# KiCad board nixie.kicad_pcb (continued)
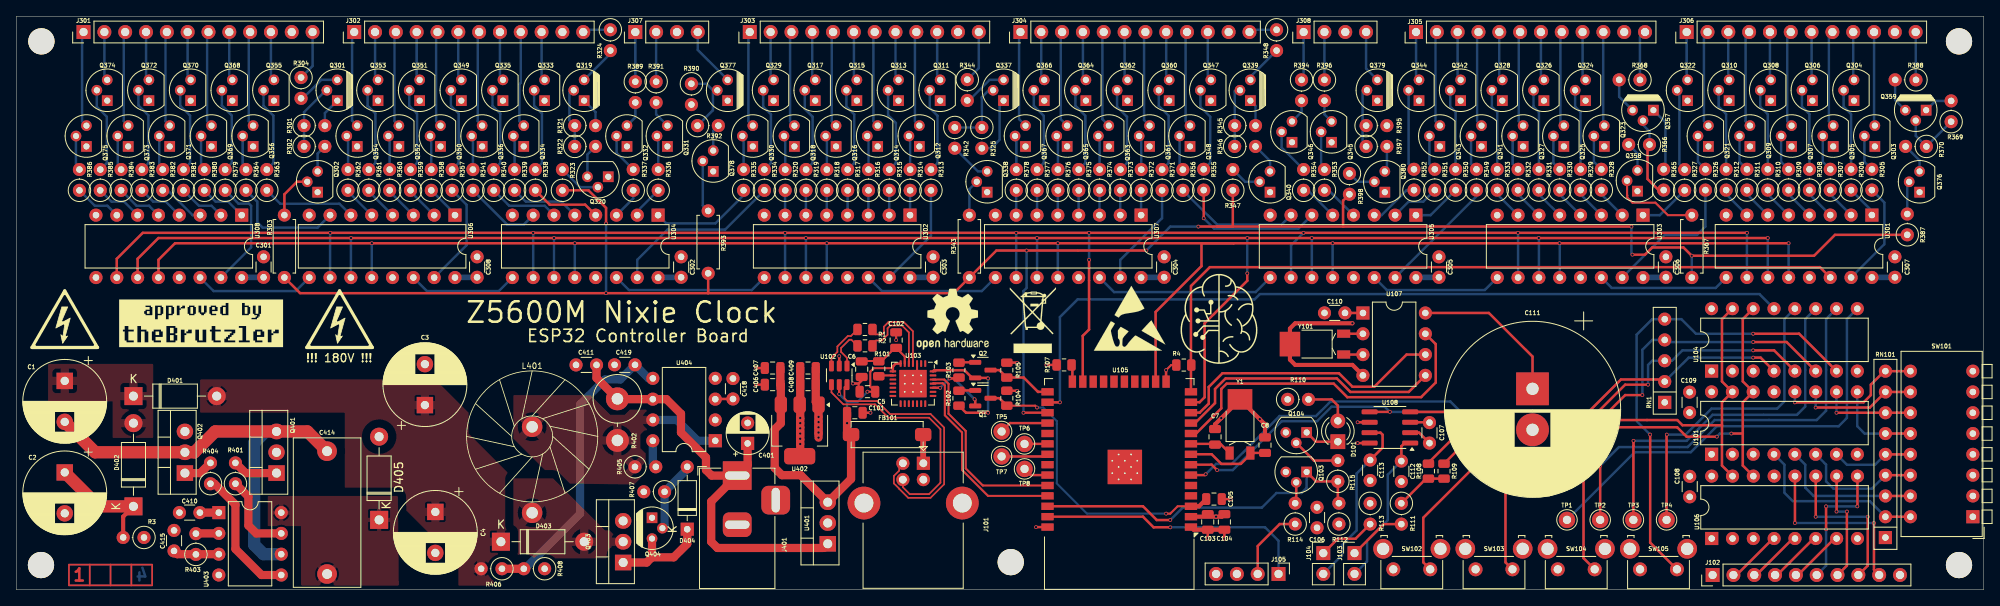
[diagram p0: board, top side]
## Routing (per net, layer and track width the routed paths; a pad name or vN(x,y) marks a point on that pad's centre or on a via; arc(x,y) is an arc through that point) (continued)
/RCLK: length 254.4
  Top w0.3: v1(216.21,42.3) v1(188.27,42.3) v1(160.58,42.3) 148.52,42.3 ; 148.52,42.3 v1(127.06,42.3) v1(98.86,42.3) v1(68.13,42.3) v1(43.36,42.3) 19.36,42.3 17.33,40.27 17.33,38.11 ; 148.52,42.3 144.58,42.3 144.58,39.51 138.99,33.91 U105.16
  Bottom w0.3: U304.12 v1(68.13,42.3) ; U307.12 v1(127.06,42.3) ; v1(216.21,42.3) 216.21,38.12 ; U303.12 188.28,42.28 v1(188.27,42.3) ; 98.86,38.11 v1(98.86,42.3) ; U305.12 v1(160.58,42.3) ; v1(43.36,42.3) 43.35,42.28 U306.12
/SCLK: length 259.5
  Top w0.3: v1(213.67,42.93) v1(185.73,42.93) v1(158.04,42.93) v1(150.17,42.93) v1(124.52,42.93) v1(96.32,42.93) v1(65.59,42.93) v1(40.82,42.93) 17.33,42.93 14.79,40.39 U308.11 ; U105.13 144.35,22.88 144.96,23.49 144.96,32.52 150.17,37.73 v1(150.17,38.62)
  Bottom w0.3: v1(150.17,38.62) v1(150.17,42.93) ; v1(185.73,42.93) 185.75,42.92 U303.11 ; v1(40.82,42.93) 40.81,42.92 U306.11 ; U304.11 v1(65.59,42.93) ; 96.32,38.11 v1(96.32,42.93) ; U307.11 v1(124.52,42.93) ; v1(213.67,42.93) 213.67,38.12 ; U305.11 v1(158.04,42.93)
/~{SCLR}: length 259.8
  Top w0.3: U105.23 130.1,30.99 130.87,31.76 v1(130.87,40.27) ; v1(211.13,43.57) v1(183.19,43.57) v1(157.03,43.57) v1(130.87,43.57) v1(121.98,43.57) v1(93.78,43.57) v1(63.05,43.57) v1(38.28,43.57) 15.42,43.57 12.25,40.39 12.25,38.11
  Bottom w0.3: 93.78,38.11 v1(93.78,43.57) ; U306.10 38.27,43.55 v1(38.28,43.57) ; U307.10 v1(121.98,43.57) ; v1(157.03,43.57) 155.5,42.05 155.5,38.11 ; U303.10 183.21,43.55 v1(183.19,43.57) ; v1(130.87,40.27) v1(130.87,43.57) ; v1(211.13,43.57) 211.13,38.12 ; U304.10 v1(63.05,43.57)
Bit0: length 11.7
  Bottom w0.3: J301.1 8.01,67.91 8.01,57.2 8.55,56.66
Bit1: length 6
  Bottom w0.3: J301.2 10.73,62.6 11.09,62.25
Bit2: length 11.7
  Bottom w0.3: J301.3 13.09,67.91 13.09,57.21 13.64,56.66
Bit3: length 6
  Bottom w0.3: 16.17,62.25 15.81,62.6 J301.4
Bit4: length 11.7
  Bottom w0.3: 18.71,56.66 18.19,57.18 18.19,67.93 18.35,68.09
Bit5: length 6
  Bottom w0.3: 21.26,62.25 20.89,62.62 J301.6
Bit6: length 11.7
  Bottom w0.3: J301.7 23.27,67.93 23.27,57.2 23.8,56.66
Bit7: length 6
  Bottom w0.3: 26.34,62.25 25.97,62.62 J301.8
Bit8: length 11.7
  Bottom w0.3: 28.88,56.66 28.35,57.2 28.35,67.93 J301.9
Bit9: length 6
  Bottom w0.3: J301.10 31.05,62.62 31.42,62.25
Bit10: length 11.8
  Bottom w0.3: J302.1 40.95,67.83 40.95,57.29 41.58,56.66
Bit11: length 6
  Bottom w0.3: J302.2 43.75,62.62 44.12,62.25
Bit12: length 11.7
  Bottom w0.3: 46.66,56.66 46.13,57.2 46.13,67.93 J302.3
Bit13: length 6
  Bottom w0.3: J302.4 48.83,62.62 49.2,62.25
Bit14: length 11.7
  Bottom w0.3: J302.5 51.21,67.93 51.21,57.2 51.74,56.66
Bit15: length 6
  Bottom w0.3: J302.6 53.91,62.62 54.28,62.25
Bit16: length 11.7
  Bottom w0.3: J302.7 56.29,67.93 56.29,57.2 56.82,56.66
Bit17: length 6
  Bottom w0.3: J302.8 58.99,62.62 59.36,62.25
Bit18: length 11.7
  Bottom w0.3: J302.9 61.53,61.89 61.37,61.72 61.37,57.2 61.9,56.66
Bit19: length 6
  Bottom w0.3: J302.10 64.07,62.62 64.44,62.25
Bit20: length 3.2
  Bottom w0.3: 74.5,56.66 75.51,57.68 R389.2
Bit21: length 3.4
  Bottom w0.3: 79.43,56.66 78.05,58.04 R391.2
Bit22: length 11.7
  Bottom w0.3: 89.84,56.66 89.31,57.2 89.31,67.93 J303.1
Bit23: length 6
  Bottom w0.3: 92.38,62.25 92.01,62.62 J303.2
Bit24: length 11.7
  Bottom w0.3: 94.92,56.66 94.39,57.2 94.39,67.93 J303.3
Bit25: length 6
  Bottom w0.3: 97.46,62.25 97.09,62.62 J303.4
Bit26: length 11.7
  Bottom w0.3: 100,56.66 99.47,57.2 99.47,67.93 J303.5
Bit27: length 6
  Bottom w0.3: 102.54,62.25 102.17,62.62 J303.6
Bit28: length 11.7
  Bottom w0.3: J303.7 104.55,67.93 104.55,57.2 105.08,56.67
Bit29: length 6
  Bottom w0.3: J303.8 107.25,62.62 107.62,62.25
Bit30: length 11.7
  Bottom w0.3: J303.9 109.63,67.93 109.63,57.2 110.16,56.66
Bit31: length 6
  Bottom w0.3: 112.7,62.25 112.33,62.62 J303.10
Bit32: length 11.8
  Bottom w0.3: 123.12,56.66 122.33,57.45 122.33,67.93 J304.1
Bit33: length 6
  Bottom w0.3: J304.2 125.03,62.62 125.4,62.25
Bit34: length 11.8
  Bottom w0.3: 128.2,56.66 127.41,57.45 127.41,67.93 J304.3
Bit35: length 6
  Bottom w0.3: 130.48,62.25 130.11,62.62 J304.4
Bit36: length 11.8
  Bottom w0.3: 133.28,56.66 132.49,57.45 132.49,67.93 J304.5
Bit37: length 6
  Bottom w0.3: 135.56,62.25 135.19,62.62 J304.6
Bit38: length 11.8
  Bottom w0.3: J304.7 137.57,67.93 137.57,57.34 138.25,56.66
Bit39: length 6
  Bottom w0.3: J304.8 140.27,62.62 140.64,62.25
Bit40: length 11.7
  Bottom w0.3: 143.18,56.66 142.65,57.2 142.65,67.93 J304.9
Bit41: length 6
  Bottom w0.3: J304.10 145.35,62.62 145.72,62.25
Bit42: length 3
  Bottom w0.3: R394.2 156.79,58.33 155.63,57.17
Bit43: length 2.9
  Bottom w0.3: R396.2 159.58,58.04 160.45,57.17
Bit44: length 6
  Bottom w0.3: 171.12,62.25 170.75,62.62 J305.1
Bit45: length 11.7
  Bottom w0.3: 173.66,56.66 173.13,57.2 173.13,67.93 J305.2
Bit46: length 6
  Bottom w0.3: 175.83,68.09 175.83,62.62 176.2,62.25
Bit47: length 11.7
  Bottom w0.3: 178.37,68.09 178.21,67.93 178.21,57.2 178.74,56.66
Bit48: length 6
  Bottom w0.3: 181.28,62.25 180.91,62.62 J305.5
Bit49: length 11.7
  Bottom w0.3: J305.6 183.29,67.93 183.29,57.2 183.82,56.66
Bit50: length 6
  Bottom w0.3: 185.99,68.09 185.99,62.62 186.36,62.25
Bit51: length 11.7
  Bottom w0.3: J305.8 188.37,67.93 188.37,57.09 188.8,56.66
Bit52: length 6
  Bottom w0.3: 191.44,62.25 191.07,62.62 J305.9
Bit53: length 11.5
  Bottom w0.3: J305.10 193.59,68.06 193.59,56.8 193.73,56.66
Bit54: length 5.9
  Bottom w0.3: 203.89,62.25 203.77,62.36 J306.1
Bit55: length 11.8
  Bottom w0.3: 206.43,56.66 205.88,57.21 205.88,67.66 J306.2
Bit56: length 5.9
  Bottom w0.3: J306.3 208.85,62.35 208.95,62.25
Bit57: length 11.8
  Bottom w0.3: J306.4 210.96,67.66 210.96,57.2 211.49,56.66
Bit58: length 5.9
  Bottom w0.3: 214.03,62.25 213.93,62.35 J306.5
Bit59: length 11.8
  Bottom w0.3: J306.6 216.04,67.66 216.04,57.2 216.57,56.66
Bit60: length 5.9
  Bottom w0.3: 219.11,62.25 219.01,62.35 J306.7
Bit61: length 11.8
  Bottom w0.3: J306.8 221.12,67.66 221.12,57.2 221.65,56.66
Bit62: length 5.9
  Bottom w0.3: J306.9 224.09,62.35 224.19,62.25
Bit63: length 11.5
  Bottom w0.3: 226.73,56.66 226.63,56.76 J306.10
CE1: length 33.4
  Top w0.3: U107.5 169.88,24.14 162.74,24.14 161.09,25.79 147.52,25.79 146.23,24.5 146.23,22.78 143.8,20.34 U105.11
DCF_EN: length 33.4
  Top w0.3: v1(140.77,7.61) 138.74,7.61 137.44,8.91 U105.37
  Bottom w0.3: v1(140.77,7.61) 152.33,7.61 153.98,5.96 J105.1
DCF_SIG: length 42.9
  Top w0.3: R112.2 161.22,10.68 R115.1 158.56,13.22 Q103.1 ; U105.36 137.44,10.18 139.12,8.5 v1(140.77,8.5)
  Bottom w0.3: Q103.1 157.41,12.43 156.77,11.8 153.73,11.8 151.95,10.02 142.3,10.02 v1(140.77,8.5)
FB: length 37.2
  Top w1: R406.1 R408.2
  Bottom w1: U404.5 77.12,25.8 C419.1 73.69,25.66 71.81,25.66 68.76,22.61 68.76,9.28 62.03,2.55 R408.2
GPIO0: length 8.1
  Top w0.3: U105.25 124.65,24.15 124.64,24.14 122.89,25.89 R105.2 119.92,26.81 Q2.3
I/O: length 34.1
  Top w0.3: U107.6 169.59,28.7 165.66,24.77 163,24.77 161.35,26.42 147.14,26.42 145.46,24.75 145.46,22.71 144.36,21.61 U105.12
INT: length 100.9
  Top w0.3: U105.26 125.81,22.87 v1(127.31,22.87)
  Bottom w0.3: U104.13 212.66,36.08 151.7,36.08 151.06,35.44 129.47,35.44 127.31,33.28 v1(127.31,22.87)
RTC_CLK: length 41.7
  Top w0.3: U105.10 143.93,19.07 147,22.14 147,24.5 147.65,25.15 160.71,25.15 162.36,23.5 171.38,23.5 173.16,25.28 173.16,29.98 U107.7
RxD: length 24.1
  Top w0.25: U103.26 113.2,25.65 113.72,25.13 113.72,21.47 115.82,19.37 115.82,14.8 117.9,12.72 U105.34
SCL: length 107.6
  Top w0.3: v1(146.49,14.59) 145.82,15.26 U105.7 ; v1(207.45,18.68) 203.76,18.68 202.62,19.82 194.87,19.82 v1(193.86,18.8) ; 210.62,19.06 v1(209.23,19.06) ; 210.62,19.06 210.62,22.88 U101.14 210.62,25.42 210.62,33.04 U104.14 ; 210.62,19.06 210.62,15.15 U106.14 ; v1(167.57,21.71) U108.5 ; R109.2 175.7,16.9 v1(175.7,19.93)
  Bottom w0.3: v1(209.23,19.06) 207.83,19.06 v1(207.45,18.68) ; v1(193.86,18.8) 190.94,15.88 177.83,15.88 175.7,18.02 v1(175.7,19.93) 175.7,20.82 174.81,21.71 v1(167.57,21.71) 166.93,22.34 160.46,22.34 158.68,20.56 154.36,20.56 148.39,14.59 v1(146.49,14.59)
SDA: length 111.6
  Top w0.3: 208.08,20.07 208.08,22.88 U101.15 208.08,25.42 208.08,33.04 U104.15 ; 208.08,20.07 203.26,20.07 202.62,20.71 194.75,20.71 v1(193.22,19.19) ; 208.08,20.07 208.08,15.15 U106.15 ; v1(176.46,21.45) 176.21,21.71 174.94,21.71 ; 174.94,21.71 U108.4 ; 174.94,21.71 174.94,18.15 172.27,15.48 R108.2 ; v1(145.09,14.09) 144.99,13.99 U105.6
  Bottom w0.3: v1(145.09,14.09) 146.36,15.36 148.27,15.36 154.11,21.2 158.55,21.2 160.33,22.98 174.94,22.98 v1(176.46,21.45) 176.46,18.26 178.2,16.52 190.56,16.52 v1(193.22,19.19)
TxD: length 24.5
  Top w0.25: U105.35 118.54,11.45 115.37,14.61 115.37,19.19 113.27,21.29 113.27,24.94 113.01,25.2 111.88,25.2 U103.25
~{EN}: length 37.3
  Top w0.25: v1(124.52,22.23) 124.29,22.46 R104.2 ; U105.3 141.67,10.18 140.77,9.28 v1(140.26,9.28)
  Top w0.3: Q1.3 119.92,23.38 R104.2
  Top w0.5: U105.3 144.28,10.18 C105.1
  Bottom w0.25: v1(140.26,9.28) 130.61,9.28 126.93,12.96 126.93,20.58 125.28,22.23 v1(124.52,22.23)
Net-(D101-A): length 5.8
  Top w0.3: D101.2 161.22,22.47 160.46,23.23 R110.2
Net-(D101-K): length 4.3
  Top w0.3: Q104.1 158.54,18.07 D101.1
Net-(D404-A): length 16.9
  In2.Cu w1: D404.2 81.84,19.06 83.5,20.72 U404.2
  Bottom w1: D404.2 81.84,14.71 R407.1 79.08,7.76 Q404.2
Net-(D404-K): length 12.8
  Top w1: 77.55,3.97 77.57,3.95 80.19,3.95 81.84,5.6 D404.1 ; 77.55,3.97 76.89,3.31 Q403.1 ; 77.55,3.97 Q404.3
Net-(J101-VBUS): length 3.5
  Top w0.7: FB101.1 110.63,15.46 J101.1
Net-(J102-Pin_2): length 6.8
  Top w0.3: U106.4 214.31,6.24 209.86,1.79 J102.2
Net-(J102-Pin_3): length 6.8
  Top w0.3: J102.3 212.27,1.79 216.73,6.24 U106.5
Net-(J102-Pin_4): length 6.8
  Top w0.3: J102.4 214.81,1.79 219.27,6.24 U106.6
Net-(J102-Pin_5): length 6.8
  Top w0.3: U106.7 221.81,6.24 217.35,1.79 J102.5
Net-(J102-Pin_6): length 16.4
  Top w0.3: U106.9 224.61,10.18 v1(224.59,10.17) ; v1(220.78,10.17) v1(220.78,7.37)
  Bottom w0.3: v1(224.59,10.17) v1(220.78,10.17) ; J102.6 220.78,2.93 v1(220.78,7.37)
Net-(J102-Pin_7): length 13.8
  Top w0.3: v1(223.32,9.53) 223.32,2.93 J102.7 ; v1(222.05,9.53) 222.07,9.55 U106.10
  Bottom w0.3: v1(222.05,9.53) v1(223.32,9.53)
Net-(J102-Pin_8): length 18.9
  Top w0.3: v1(225.86,8.9) 225.86,2.93 J102.8 ; v1(219.51,8.9) 219.53,8.91 U106.11
  Bottom w0.3: v1(219.51,8.9) v1(225.86,8.9)
Net-(J102-Pin_9): length 22
  Top w0.3: U106.12 216.99,8.15 v1(216.97,8.14) ; J102.9 226.62,2.42 v1(226.62,8.14)
  Bottom w0.3: v1(216.97,8.14) v1(226.62,8.14)
Net-(J103-Pin_1): length 7.2
  Top w0.3: J103.1 163.28,4.46 166.82,8 R111.2
Net-(J103-Pin_2): length 19.2
  Top w0.3: U108.1 169.35,17.9 168.97,17.51 C112.1
  Bottom w0.3: J103.2 164.78,3.44 164.78,5.96 167.31,8.5 167.31,14.05 C112.1
Net-(J104-Pin_1): length 7.2
  Top w0.3: J104.1 159.47,4.46 161.22,6.21 163.37,6.21 R113.2
Net-(J104-Pin_2): length 21.7
  Top w0.3: C113.1 166.68,17.35 166.68,18.91 166.43,19.17 U108.7
  Bottom w0.3: J104.2 161.73,4.2 161.73,5.45 163.5,7.23 163.5,14.17 C113.1
Net-(J105-Pin_2): length 9.1
  Top w0.3: R114.1 154.13,8.01 151.44,5.32 J105.2
Net-(J307-Pin_1): length 6.1
  Bottom w0.3: J307.1 R389.1
Net-(J307-Pin_2): length 6.1
  Bottom w0.3: J307.2 R391.1
Net-(J308-Pin_1): length 5.9
  Bottom w0.3: R394.1 157.04,62.5 J308.1
Net-(J308-Pin_2): length 5.8
  Bottom w0.3: J308.2 R396.1
Net-(Q1-B): length 2
  Top w0.3: R102.2 115.03,24.33 Q1.1
Net-(Q1-E): length 8.6
  Top w0.3: v1(112.71,24.65) 112.7,24.65 U103.24 ; v1(116.9,23.25) 116.97,23.17 Q1.2 ; R103.1 114.89,25.79 v1(113.85,25.79)
  Bottom w0.3: v1(112.71,24.65) v1(113.85,25.79) 114.36,25.79 v1(116.9,23.25)
Net-(Q2-B): length 2
  Top w0.3: R103.2 115.03,27.76 Q2.1
Net-(Q2-E): length 15.3
  Top w0.3: v1(118.55,21.6) 115.86,21.6 R102.1 ; v1(118.55,25.79) 118.48,25.86 Q2.2 116.6,25.86 115.67,26.78 111.96,26.78 U103.28
  Bottom w0.3: v1(118.55,21.6) v1(118.55,25.79)
Net-(Q103-B): length 2.8
  Top w0.3: Q103.2 156.14,10.68 R114.2
  Bottom w0.3: 156.14,10.68 R114.2
Net-(Q104-B): length 6
  Top w0.3: 161.22,15.76 158.31,15.76 Q104.2
Net-(Q301-B): length 7.8
  Bottom w0.3: 37.35,60.98 37.35,60.55 35.09,58.3 R302.1
Net-(Q301-C): length 5.4
  Bottom w0.3: R304.2 34.94,59.99 37.2,62.25 Q301.3
Net-(Q302-B): length 6
  Top w0.3: R303.2 32.7,48.27 34.23,49.8 Q302.2
Net-(Q302-C): length 3.4
  Bottom w0.3: R302.2 36.75,53.24 36.75,51.07
Net-(Q303-B): length 4.4
  Bottom w0.3: R305.2 225.46,52.24 225.46,55.39
Net-(Q304-B): length 10
  Bottom w0.3: R306.2 223.83,58.07 222.92,58.98 222.92,60.98
Net-(Q305-B): length 4.4
  Bottom w0.3: R307.2 220.38,52.24 220.38,55.39
Net-(Q306-B): length 10
  Bottom w0.3: 217.84,60.98 217.84,58.98 218.75,58.07 R308.2
Net-(Q307-B): length 4.4
  Bottom w0.3: R309.2 215.3,52.24 215.3,55.39
Net-(Q308-B): length 10
  Bottom w0.3: 212.76,60.98 212.76,58.96 213.67,58.05 R310.2
Net-(Q309-B): length 4.4
  Bottom w0.3: R311.2 210.22,52.24 210.22,55.39
Net-(Q310-B): length 10
  Bottom w0.3: R312.2 208.59,58.07 207.68,58.98 207.68,60.98
Net-(Q311-B): length 10.4
  Bottom w0.3: 111.43,60.98 111.43,58.82 112.38,57.87 112.38,52.1 R313.2
Net-(Q312-B): length 4.2
  Bottom w0.3: 108.89,55.39 109.04,55.24 R314.2
Net-(Q313-B): length 10.4
  Bottom w0.3: 106.35,60.98 106.35,57.94 107.3,56.99 107.3,52.1 R315.2
Net-(Q314-B): length 4.2
  Bottom w0.3: 103.81,55.39 103.96,55.24 R316.2
Net-(Q315-B): length 10.4
  Bottom w0.3: 101.27,60.98 101.27,58.98 102.22,58.03 102.22,52.1 R317.2
Net-(Q316-B): length 4.2
  Bottom w0.3: 98.73,55.39 98.88,55.24 R318.2
Net-(Q317-B): length 10.4
  Bottom w0.3: 96.19,60.98 96.19,58.69 97.14,57.74 97.14,52.1 R319.2
Net-(Q318-B): length 4.2
  Bottom w0.3: R320.2 93.8,55.24 93.65,55.39
Net-(Q319-B): length 7.1
  Bottom w0.3: 67.47,60.98 67.47,57.31 R321.1 R322.1
Net-(Q319-C): length 4.9
  Bottom w0.3: Q319.3 72.46,65.44 R324.2
Net-(Q320-B): length 5.2
  Bottom w0.3: R323.2 68.77,49.15 Q320.2
Net-(Q320-C): length 4.1
  Bottom w0.3: R322.2 69.67,53.13 Q320.3
Net-(Q321-B): length 4.4
  Bottom w0.3: R326.2 205.15,52.24 205.15,55.39
Net-(Q322-B): length 10.1
  Bottom w0.3: 202.61,60.98 202.89,60.7 202.89,51.94 R327.2
Net-(Q323-B): length 4.4
  Bottom w0.3: R328.2 192.45,52.24 192.45,55.39
Net-(Q324-B): length 9.9
  Bottom w0.3: R329.2 190.83,58.32 190.17,58.98 190.17,60.98
Net-(Q325-B): length 4.4
  Bottom w0.3: 187.52,55.39 187.52,52.09 R330.2
Net-(Q326-B): length 9.9
  Bottom w0.3: R331.2 185.75,58.32 185.09,58.98 185.09,60.98
Net-(Q327-B): length 4.3
  Bottom w0.3: 182.55,55.39 182.55,51.98 R332.2
Net-(Q328-B): length 9.9
  Bottom w0.3: R333.2 180.67,58.32 180.01,58.98 180.01,60.98
Net-(Q329-B): length 10.4
  Bottom w0.3: 91.11,60.98 91.11,58.98 92.06,58.03 92.06,52.1 R334.2
Net-(Q330-B): length 4.2
  Bottom w0.3: R335.2 88.72,55.24 88.57,55.39
Net-(Q331-B): length 4.2
  Bottom w0.3: 78.15,55.39 78.3,55.24 R336.2
Net-(Q332-B): length 4.9
  Bottom w0.3: 73.22,55.39 73.22,53.33 R337.2
Net-(Q333-B): length 10.4
  Bottom w0.3: 63.17,60.98 63.17,59.08 64.12,58.13 64.12,52.1 R338.2
Net-(Q334-B): length 4.2
  Bottom w0.3: 60.63,55.39 60.78,55.24 R339.2
Net-(Q335-B): length 10.4
  Bottom w0.3: 58.09,60.98 58.09,59.08 59.04,58.13 59.04,52.1 R340.2
Net-(Q336-B): length 4.2
  Bottom w0.3: R341.2 55.7,55.24 55.55,55.39
Net-(Q337-B): length 8.2
  Bottom w0.3: 118.63,60.98 117.78,60.13 R325.1 R342.1
Net-(Q337-C): length 5.5
  Bottom w0.3: R344.2 116.22,59.74 118.74,62.25 Q337.3
Net-(Q338-B): length 4.4
  Bottom w0.3: R343.2 116.26,48.9 Q338.2
Net-(Q338-C): length 5.1
  Bottom w0.3: R342.2 117.31,51.07 118.44,51.07
Net-(Q339-B): length 6.9
  Bottom w0.3: R346.1 148.63,60.87 148.75,60.98
Net-(Q339-C): length 4.9
  Bottom w0.3: R348.2 150.55,62.63 Q339.3
Net-(Q340-B): length 3.9
  Bottom w0.3: R347.2 149.9,49.8 Q340.2
Net-(Q340-C): length 3.8
  Bottom w0.3: R346.2 152.94,52.35 152.94,51.07
Net-(Q341-B): length 4.3
  Bottom w0.3: R349.2 177.47,51.98 177.47,55.39
Net-(Q342-B): length 9.9
  Bottom w0.3: 174.93,60.98 174.93,58.98 175.59,58.32 R350.2
Net-(Q343-B): length 4.3
  Bottom w0.3: 172.39,55.39 172.39,51.98 R351.2
Net-(Q344-B): length 9.9
  Bottom w0.3: 169.85,60.98 169.85,51.98 R352.2
Net-(Q345-B): length 4.8
  Bottom w0.3: 159.18,55.9 159.18,51.7 R353.2
Net-(Q346-B): length 5.7
  Bottom w0.3: 154.35,55.9 154.35,53.99 R354.2
Net-(Q347-B): length 10.5
  Bottom w0.3: 144.45,60.98 144.45,58.94 145.65,57.74 145.65,52.13 R355.2
Net-(Q348-B): length 4.3
  Bottom w0.3: R356.2 141.91,51.7 141.91,55.39
Net-(Q349-B): length 10.4
  Bottom w0.3: R357.2 53.96,52.1 53.96,58.13 53.01,59.08 53.01,60.98
Net-(Q350-B): length 4.2
  Bottom w0.3: R358.2 50.62,55.24 50.47,55.39
Net-(Q351-B): length 10.4
  Bottom w0.3: R359.2 48.88,52.1 48.88,58.13 47.93,59.08 47.93,60.98
Net-(Q352-B): length 4.2
  Bottom w0.3: R360.2 45.54,55.24 45.39,55.39
Net-(Q353-B): length 10.4
  Bottom w0.3: R361.2 43.8,52.1 43.8,58.13 42.85,59.08 42.85,60.98
Net-(Q354-B): length 4.2
  Bottom w0.3: R362.2 40.46,55.24 40.31,55.39
Net-(Q355-B): length 10.5
  Bottom w0.3: 30.15,60.98 30.15,59.08 31.35,57.88 31.35,52.1 R363.2
Net-(Q356-B): length 4.3
  Bottom w0.3: R364.2 27.61,51.7 27.61,55.39
Net-(Q357-B): length 9.6
  Top w0.3: R366.1 199,54.11 199,50.14 200.35,48.79 R365.1
  Bottom w0.3: R366.1 199.24,55.95 198.45,56.74
Net-(Q357-C): length 4.4
  Bottom w0.3: Q357.3 195.54,60.18 R368.2
Net-(Q358-B): length 10.8
  Top w0.25: R367.2 201.48,45.73 199.95,47.25 197.16,47.25 196.53,47.89 196.53,48.14 196.5,48.16 196.5,49.93
Net-(Q358-C): length 3.6
  Bottom w0.3: Q358.3 197.77,53.27 R366.2
Net-(Q359-B): length 7.4
  Bottom w0.3: R369.1 R370.1 231.72,55.42 231.72,56.74
Net-(Q359-C): length 4.2
  Bottom w0.3: R388.2 229.21,59.79 Q359.3
Net-(Q360-B): length 10.5
  Bottom w0.3: 139.37,60.98 139.37,59.07 140.57,57.87 140.57,52.1 R371.2
Net-(Q361-B): length 4.2
  Bottom w0.3: R372.2 137.23,55.13 136.97,55.39
Net-(Q362-B): length 10.5
  Bottom w0.3: 134.29,60.98 134.29,58.95 135.49,57.74 135.49,52.1 R373.2
Net-(Q363-B): length 4.2
  Bottom w0.3: 132,55.39 132.15,55.24 R374.2
Net-(Q364-B): length 10.5
  Bottom w0.3: R375.2 130.41,52.1 130.41,57.87 129.21,59.07 129.21,60.98
Net-(Q365-B): length 4.2
  Bottom w0.3: 126.92,55.39 127.07,55.24 R376.2
Net-(Q366-B): length 10.5
  Bottom w0.3: 124.13,60.98 124.13,59.07 125.33,57.87 125.33,52.1 R377.2
Net-(Q367-B): length 4.2
  Bottom w0.3: R378.2 121.99,55.24 121.84,55.39
Net-(Q368-B): length 10.5
  Bottom w0.3: R379.2 26.27,52.1 26.27,57.91 25.07,59.11 25.07,60.98
Net-(Q369-B): length 4.3
  Bottom w0.3: 22.53,55.39 22.53,51.7 R380.2
Net-(Q370-B): length 10.5
  Bottom w0.3: R381.2 21.19,52.1 21.19,57.88 19.99,59.08 19.99,60.98
Net-(Q371-B): length 4.3
  Bottom w0.3: R382.2 17.43,51.72 17.43,55.39
Net-(Q372-B): length 10.5
  Bottom w0.3: R383.2 16.11,52.1 16.11,57.91 14.89,59.13 14.89,60.98
Net-(Q373-B): length 4.3
  Bottom w0.3: R384.2 12.37,51.7 12.37,55.39
Net-(Q374-B): length 10.5
  Bottom w0.3: R385.2 11.03,52.1 11.03,57.75 9.81,58.97 9.81,60.98
Net-(Q375-B): length 4.3
  Bottom w0.3: 7.27,55.39 7.27,51.72 R386.2
Net-(Q376-B): length 4
  Bottom w0.3: R387.2 230.69,49.57 Q376.2
Net-(Q376-C): length 3.8
  Bottom w0.3: R370.2 232.19,52.41 232.19,51.07
Net-(Q377-B): length 8
  Bottom w0.3: R390.1 84.19,61.77 84.98,60.98 84.98,58.54 R392.1
Net-(Q378-B): length 6.4
  Bottom w0.3: 83.74,52.34 83.74,46.9 R393.1
Net-(Q378-C): length 3.3
  Bottom w0.3: Q378.3 85.01,56.03 R392.2
Net-(Q379-B): length 7
  Bottom w0.3: R397.1 164.24,54.54 164.24,60.98
Net-(Q380-B): length 3.5
  Bottom w0.3: Q380.2 163.65,49.8 R398.1
Net-(Q380-C): length 3.2
  Bottom w0.3: 166.95,51.07 167.2,51.33 R397.2
Net-(Q401-G): length 5.5
  Top w1: R401.2 27.97,14.23 Q401.1
Net-(Q401-S): length 55.1
  Top w1.5: C1.2 9.62,16.77 Q402.2 21.72,16.77 24.26,19.31 Q401.3 35.5,19.31 C414.2
  Bottom w1.5: U403.6 30.16,4.33 29.01,5.47 29.01,17.92 30.41,19.31 Q401.3
Net-(Q402-G): length 3.6
  Top w1: R404.2 22.44,14.23 Q402.1
Net-(RN1-R1): length 58.4
  Top w0.3: U104.4 212.79,28.33 v1(211.89,28.33) ; SW102.1 171.64,3.33 171.64,8.77 179.63,16.77 186.87,16.77 195.76,25.66 200.84,25.66 201.1,25.41
  Bottom w0.3: 201.1,25.41 204.02,28.33 v1(211.89,28.33)
Net-(RN1-R2): length 54.6
  Top w0.3: U104.5 214.44,29.22 v1(211.89,29.22) ; SW103.1 181.67,3.33 181.67,11.7 185.98,16.01 187.25,16.01 196.27,25.03 v1(199.06,25.03)
  Bottom w0.3: v1(199.06,25.03) 199.06,27.44 199.57,27.95 RN1.3 201.99,27.95 203.26,29.22 v1(211.89,29.22)
Net-(RN1-R3): length 54.8
  Top w0.3: v1(211.89,30.23) 215.97,30.23 U104.6 ; SW104.1 191.19,3.84 191.19,18.68 196.27,23.76 v1(198.37,23.76)
  Bottom w0.3: v1(211.89,30.23) 201.35,30.23 201.1,30.49 199.57,30.49 198.37,29.28 v1(198.37,23.76)
Net-(RN1-R4): length 58.5
  Top w0.3: U104.7 217.49,31.25 v1(211.89,31.25) ; v1(199.32,18.93) 199.32,5.75 SW105.1
  Bottom w0.3: v1(211.89,31.25) 204.91,31.25 203.13,33.03 RN1.5 199.57,33.03 197.67,31.12 197.67,20.58 v1(199.32,18.93)
Net-(RN101-R1): length 21.8
  Top w0.3: SW101.16 RN101.2
  Bottom w0.3: U101.4 215.7,15.26 215.7,11.82 216.72,10.8 226.12,10.8 RN101.2
Net-(RN101-R2): length 17.8
  Top w0.3: SW101.15 RN101.3
  Bottom w0.3: U101.5 218.24,15.26 218.24,12.45 219.26,11.44 RN101.3
Net-(RN101-R3): length 15.2
  Top w0.3: SW101.14 RN101.4
  Bottom w0.3: RN101.4 226.37,12.33 221.67,12.33 220.78,13.22 220.78,15.26 U101.6
Net-(RN101-R4): length 10.1
  Top w0.3: SW101.13 RN101.5
  Bottom w0.3: U101.7 223.33,15.25 226.75,15.25 RN101.5
Net-(RN101-R5): length 11
  Top w0.3: SW101.12 RN101.6
  Bottom w0.3: U101.9 224.59,19.95 225.48,19.06 RN101.6
Net-(RN101-R6): length 11.6
  Top w0.3: SW101.11 v1(222.05,21.6)
  Bottom w0.3: U101.10 v1(222.05,21.6)
Net-(RN101-R7): length 14.3
  Top w0.3: SW101.10 RN101.8 226.12,22.23 v1(219.51,22.23)
  Bottom w0.3: v1(219.51,22.23) U101.11
Net-(RN101-R8): length 17.7
  Top w0.3: SW101.9 227.89,26.68 226.24,25.03 226.24,23.76 225.35,22.87 v1(216.97,22.87)
  Bottom w0.3: U101.12 v1(216.97,22.87)
Net-(U103-D+): length 10.8
  Top w0.2: U103.4 109.38,31.55 108.23,32.69 106.42,32.69 106.42,32.69 105.83,32.1 105.83,31.37 105.63,31.17 104.83,31.17 104.44,31.56 R2.1
Net-(U103-D-): length 10.2
  Top w0.2: R1.2 104.44,29.98 104.88,30.42 105.58,30.42 106.28,31.12 106.28,31.91 106.61,32.24 108.05,32.24 108.88,31.41 U103.5
Net-(U103-VDD): length 7.2
  Top w0.25: U103.6 108.38,28.47 C102.1 107.18,29.52 105.54,27.88 R101.1 105.17,27.92 103.18,27.92
Net-(U103-~{RST}): length 1.2
  Top w0.25: U103.9 105.73,26.15
Net-(U104-P4): length 53.2
  Bottom w0.3: U104.9 223.32,33.04 223.32,20.96 222.31,19.95 207.45,19.95 204.27,16.77 197.43,16.77 TP1.1
Net-(U104-P5): length 49.9
  Top w0.3: v1(193.22,15.12) TP2.1
  Bottom w0.3: U104.10 220.78,33.04 220.78,21.85 219.64,20.71 207.19,20.71 203.89,17.41 195.51,17.41 v1(193.22,15.12)
Net-(U104-P6): length 44.8
  Top w0.3: v1(197.29,18.17) 197.29,17.53 197.27,17.52 TP3.1
  Bottom w0.3: U104.11 218.24,33.04 218.24,22.36 217.23,21.34 206.94,21.34 203.76,18.17 v1(197.29,18.17)
Net-(U104-P7): length 38.3
  Top w0.3: v1(201.35,18.93) 201.32,18.9 TP4.1
  Bottom w0.3: v1(201.35,18.93) 203.64,18.93 206.81,22.11 214.81,22.11 215.7,23 215.7,33.04 U104.12
Net-(U105-IO2): length 2.1
  Top w0.3: R107.1 128.83,27.34 U105.24
Net-(U105-IO17): length 6
  Top w0.3: TP5.1 121.23,20.34 U105.28
Net-(U105-IO18): length 2.8
  Top w0.3: U105.30 123,17.8 TP6.1
Net-(U105-IO19): length 5.7
  Top w0.3: TP7.1 125.53,16.26 U105.31
Net-(U105-IO21): length 3.1
  Top w0.3: TP8.1 123.74,13.99 U105.33
Net-(U107-VCC1): length 19.2
  Top w0.3: C111.1 184.97,28.46 179.64,33.78 U107.8
Net-(U107-X1): length 2.4
  Top w0.3: Y101.1 161.94,31.24 U107.2
Net-(U107-X2): length 2.4
  Top w0.3: Y101.2 161.94,28.7 U107.3
Net-(U301-QA): length 13
  Bottom w0.3: 223.83,38.12 227.89,42.18 227.89,47.26 R305.1
Net-(U301-QB): length 4.1
  Bottom w0.3: R306.1 226.37,46.25 U301.1
Net-(U301-QC): length 4.1
  Bottom w0.3: R307.1 221.29,48.28 U301.2
Net-(U301-QD): length 4.1
  Bottom w0.3: U301.3 218.75,48.28 R308.1
Net-(U301-QE): length 4.1
  Bottom w0.3: R309.1 216.21,48.28 U301.4
Net-(U301-QF): length 4.1
  Bottom w0.3: U301.5 213.67,48.28 R310.1
Net-(U301-QG): length 4.1
  Bottom w0.3: U301.6 211.13,48.28 R311.1
Net-(U301-QH'): length 16.3
  Bottom w0.3: U303.14 194.64,36.84 207.31,36.84 208.59,38.12
Net-(U301-QH): length 4.1
  Bottom w0.3: R312.1 208.59,48.28 U301.7
Net-(U302-QA): length 12.8
  Bottom w0.3: U302.15 111.58,43.2 R313.1
Net-(U302-QB): length 3
  Bottom w0.3: U302.1 109.02,48.74 R314.1
Net-(U302-QC): length 3
  Bottom w0.3: U302.2 106.48,48.74 R315.1
Net-(U302-QD): length 3
  Bottom w0.3: 103.94,45.73 103.94,48.74 R316.1
Net-(U302-QE): length 3
  Bottom w0.3: R317.1 101.4,48.74 U302.4
Net-(U302-QF): length 3
  Bottom w0.3: R318.1 98.86,48.74 98.86,45.73
Net-(U302-QG): length 3
  Bottom w0.3: R319.1 96.32,48.74 96.32,45.73
Net-(U302-QH'): length 19.3
  Bottom w0.3: U304.14 74.73,36.58 89.72,36.58 91.24,38.11
Net-(U302-QH): length 3
  Bottom w0.3: 93.78,45.73 93.78,48.74 R320.1
Net-(U302-SER): length 16.9
  Bottom w0.3: 103.94,38.11 105.59,36.46 117.78,36.46 U307.9
Net-(U303-QA): length 17.2
  Bottom w0.3: U303.15 201.11,43.32 205.03,43.32 206.06,44.35 R326.1
Net-(U303-QB): length 6.3
  Bottom w0.3: U303.1 200.5,45.73 R327.1
Net-(U303-QC): length 4.1
  Bottom w0.3: R328.1 193.37,48.27 U303.2
Net-(U303-QD): length 4.1
  Bottom w0.3: U303.3 190.83,48.27 R329.1
Net-(U303-QE): length 4.1
  Bottom w0.3: R330.1 188.28,48.27 U303.4
Net-(U303-QF): length 4.1
  Bottom w0.3: R331.1 185.75,48.27 U303.5
Net-(U303-QG): length 4.1
  Bottom w0.3: R332.1 183.21,48.27 U303.6
Net-(U303-QH'): length 16.3
  Bottom w0.3: 165.66,38.11 167.19,36.58 179.14,36.58 U303.9
Net-(U303-QH): length 4.1
  Bottom w0.3: R333.1 180.67,48.27 U303.7
Net-(U304-QA): length 21.2
  Bottom w0.3: R334.1 86.46,43.96 79.43,43.96 75.75,40.28 U304.15
Net-(U304-QB): length 12.9
  Bottom w0.3: U304.1 79.29,44.72 85.27,44.72 88.72,48.17 R335.1
Net-(U304-QC): length 4.1
  Bottom w0.3: R336.1 75.75,46.2 U304.2
Net-(U304-QD): length 3.9
  Bottom w0.3: R337.1 75.25,47.78 U304.3
Net-(U304-QE): length 8.6
  Top w0.3: R338.1 65.07,47.01 69.39,47.01 U304.4
Net-(U304-QF): length 8.6
  Bottom w0.3: R339.1 62.16,47.38 66.48,47.38 U304.5
Net-(U304-QG): length 8.6
  Bottom w0.3: U304.6 64.44,46.88 60.12,46.88 R340.1
Net-(U304-QH'): length 13.4
  Bottom w0.3: U304.9 58.86,36.46 50.08,36.46 U306.14
Net-(U304-QH): length 9.6
  Bottom w0.3: R341.1 59.88,44.58 61.9,44.58 U304.7
Net-(U305-QA): length 14.8
  Bottom w0.3: R349.1 178.12,48.03 U305.15
Net-(U305-QB): length 6.1
  Bottom w0.3: R350.1 172.53,45.73 U305.1
Net-(U305-QC): length 6.1
  Bottom w0.3: R351.1 171.64,47.38 169.86,47.38 U305.2
Net-(U305-QD): length 6.1
  Bottom w0.3: R352.1 169.61,48.79 166.55,45.73 165.66,45.73
Net-(U305-QE): length 4.8
  Bottom w0.3: U305.4 160.09,48.76 R353.1
Net-(U305-QF): length 4.8
  Bottom w0.3: U305.5 157.56,48.76 R354.1
Net-(U305-QG): length 17.8
  Top w0.3: v1(144.85,45.35) R355.1
  Bottom w0.3: U305.6 156.39,44.08 146.12,44.08 v1(144.85,45.35)
Net-(U305-QH'): length 22.3
  Bottom w0.3: U305.9 151.19,36.33 133.91,36.33 U307.14
Net-(U305-QH): length 15.4
  Bottom w0.3: R356.1 146.49,44.58 154.35,44.58 155.5,45.73
Net-(U306-QA): length 13
  Bottom w0.3: R357.1 54.92,46.99 54.92,42.06 U306.15
Net-(U306-QB): length 4.2
  Bottom w0.3: U306.1 53.51,45.87 R358.1
Net-(U306-QC): length 4.2
  Bottom w0.3: R359.1 48.08,48.62 U306.2
Net-(U306-QD): length 4.2
  Bottom w0.3: U306.3 45.54,48.62 R360.1
Net-(U306-QE): length 4.2
  Bottom w0.3: R361.1 43,48.62 U306.4
Net-(U306-QF): length 4.2
  Bottom w0.3: R362.1 40.46,48.62 U306.5
Net-(U306-QG): length 11.5
  Bottom w0.3: R363.1 30.55,48.76 32.19,47.12 39.41,47.12 U306.6
Net-(U306-QH'): length 14.7
  Bottom w0.3: U308.14 24.06,36.46 34.08,36.46 U306.9
Net-(U306-QH): length 14.3
  Bottom w0.3: U306.7 36.74,44.2 30.04,44.2 29.39,44.85 29.39,47.38 R364.1
Net-(U307-QA): length 12.8
  Bottom w0.3: U307.15 134.68,40.27 139.77,45.36 R371.1
Net-(U307-QB): length 3
  Bottom w0.3: U307.1 137.22,48.74 R372.1
Net-(U307-QC): length 3
  Bottom w0.3: U307.2 134.68,48.74 R373.1
Net-(U307-QD): length 3
  Bottom w0.3: R374.1 132.14,48.74 U307.3
Net-(U307-QE): length 3
  Bottom w0.3: U307.4 129.6,48.74 R375.1
Net-(U307-QF): length 3
  Bottom w0.3: U307.5 127.06,48.74 R376.1
Net-(U307-QG): length 3
  Bottom w0.3: U307.6 124.52,48.74 R377.1
Net-(U307-QH): length 3
  Bottom w0.3: R378.1 121.98,48.74 U307.7
Net-(U308-QA): length 14.2
  Bottom w0.3: R379.1 27.09,47.14 28.38,47.14 28.64,46.87 28.64,41.8 U308.15
Net-(U308-QB): length 5.8
  Bottom w0.3: R380.1 24.31,47.38 25.84,47.38 U308.1
Net-(U308-QC): length 5.8
  Bottom w0.3: U308.2 23.8,46.88 22.27,46.88 R381.1
Net-(U308-QD): length 5.8
  Bottom w0.3: U308.3 21.49,45.73 18.47,48.76 R382.1
Net-(U308-QE): length 5.8
  Bottom w0.3: U308.4 18.22,47.38 16.69,47.38 R383.1
Net-(U308-QF): length 5.8
  Bottom w0.3: 17.33,45.73 16.18,46.88 14.65,46.88 R384.1
Net-(U308-QG): length 5.8
  Bottom w0.3: U308.6 13.14,47.38 11.61,47.38 R385.1
Net-(U308-QH): length 5.8
  Bottom w0.3: R386.1 9.57,46.88 11.1,46.88 12.25,45.73
Net-(U403-CT): length 5.6
  Top w1: C415.1 19.63,4.33 U403.3
Net-(U403-HO): length 10.2
  Top w1: R401.1 28.31,11.35 28.31,7.83 29.27,6.87 U403.7
Net-(U403-LO): length 16.4
  Top w1: R404.1 24.17,12.93 26.73,10.37 26.73,4.96 29.9,1.79 U403.5
Net-(U403-RT): length 2.8
  Top w1: R403.2 21.93,6.87 U403.2
Net-(U404-DC): length 3.3
  Bottom w1: U404.8 77.64,15.36 R405.2
Net-(U404-Ipk): length 8.7
  Bottom w1: U404.1 83.1,18.18 80.56,20.72 U404.7
Net-(U404-TC): length 2.2
  Top w0.3: U404.3 85.28,23.28 C418.1

## Copper pours and planes (outline as drawn; the poured copper is in the pictures)
+3V3 on In2.Cu: 239.96,37.35 84,37.35 84,0.01 239.96,0.01
+3V3 on In2.Cu: 239.58,35.95 239.96,43.82 6.03,44.08 6.03,35.7 84,35.57 83.62,35.95
+90V on Top: 22.41,25.66 22.41,21.6 40.06,21.6 40.06,11.44 45.78,11.44 50.22,6.99 53.9,6.99 53.9,0.01 58.22,0.01 58.22,3.82 60.63,3.82 60.63,13.6 55.17,19.06 55.17,21.6 51.11,25.66
GND on In1.Cu: 239.96,69.99 0.06,69.99 0.06,0.01 239.96,0.01
Net-(D401-K) on Top: 3.87,27.57 16.69,27.57 16.69,18.3 11.74,18.3 11.74,23 3.87,23
Net-(D403-A) on Top: 75.11,3.82 75.11,7.25 71.81,7.25 65.46,13.6 60.63,13.6 60.63,3.82
Net-(D405-K) on Top: 46.54,11.44 30.66,11.44 30.66,7.76 34.73,7.76 34.73,0.01 46.66,0.01
Net-(U404-Ipk) on Top: 79.18,21.98 74.86,21.98 74.22,21.34 72.45,21.34 70.03,23.76 60.63,23.76 60.63,18.42 66.1,12.96 75.37,12.84 76.76,14.23 76.76,16.65 76.13,17.28 76.13,18.93 76.64,19.44 79.18,19.44

## Text on the board
F.Silkscreen: !!! 180V !!! | ESP32 Controller Board | Z5600M Nixie Clock
